# KiCad board FrontEnd_5G.kicad_pcb (continued)
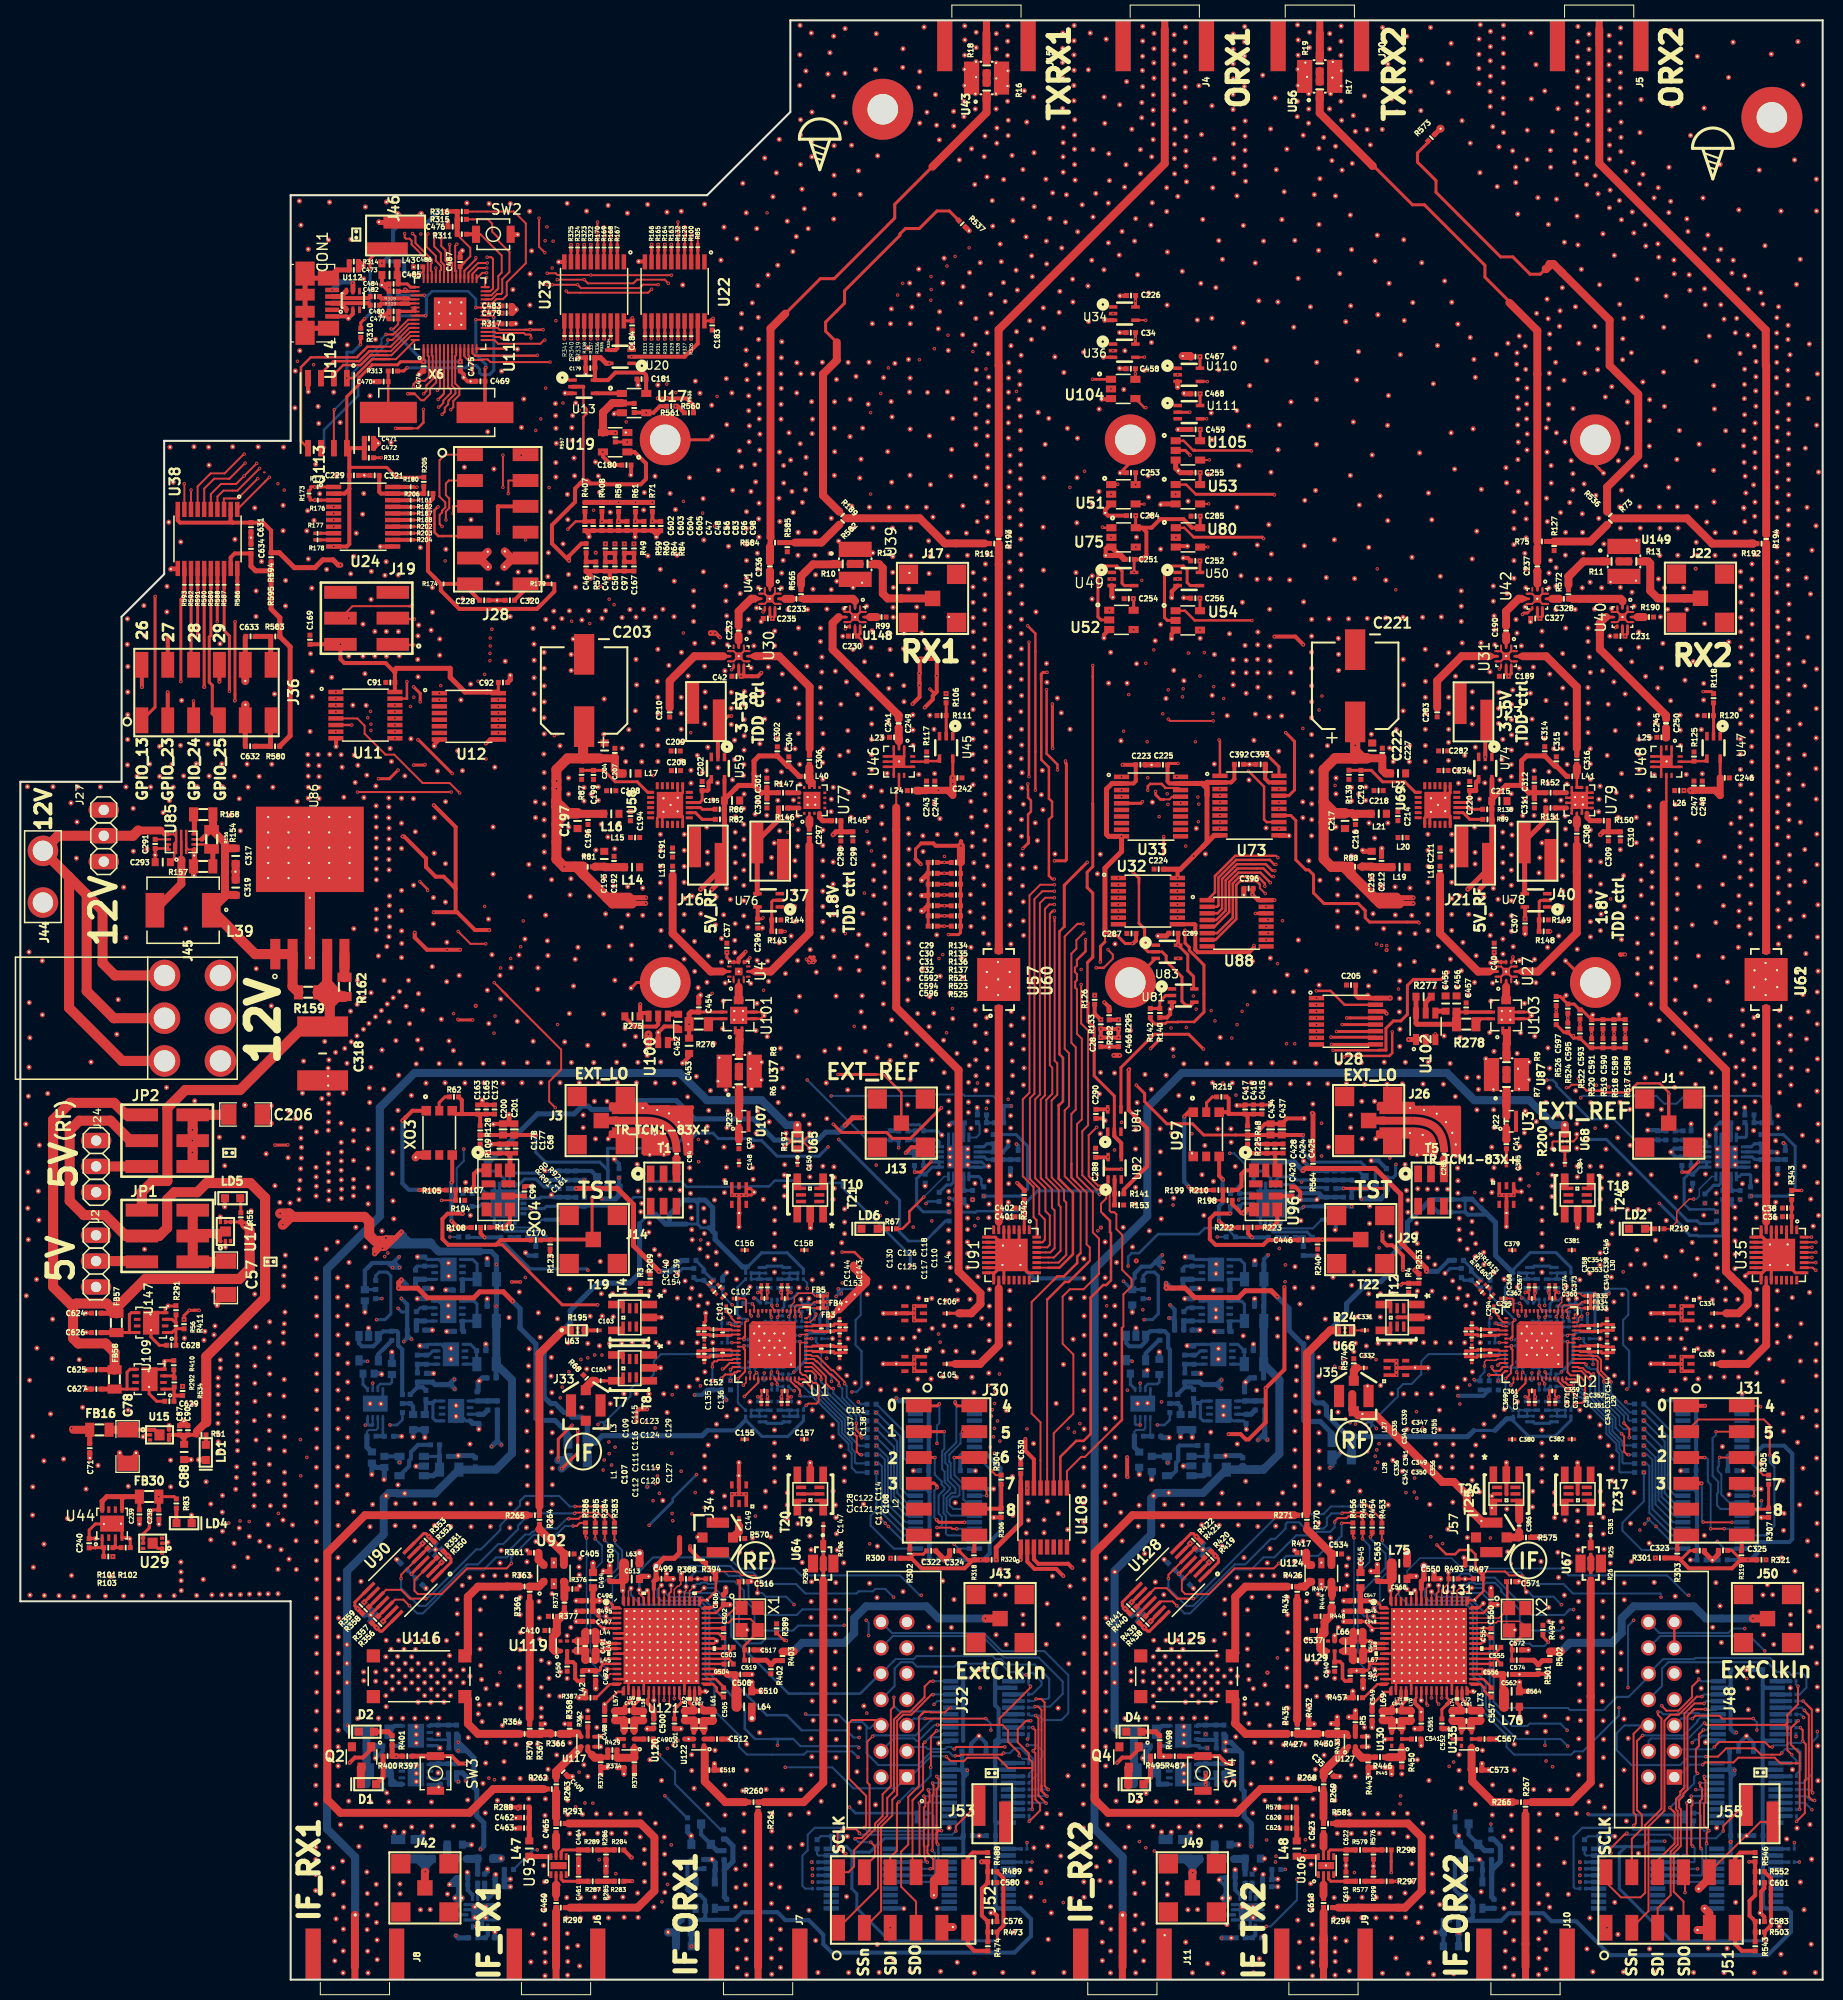
[diagram p0: board, top side]
## Routing (per net, layer and track width the routed paths; a pad name or vN(x,y) marks a point on that pad's centre or on a via; arc(x,y) is an arc through that point) (continued)
  B2.RO w0.4: C427.1 R226.2
Net-(C429-Pad1): length 2.2
  B2.RO w0.3: R229.2 168.21,77.57 C429.1 168.18,77.58 U98.12
Net-(C430-Pad1): length 1.5
  B2.RO w0.4: C435.2 R227.2 C430.1
Net-(C430-Pad2): length 1.6
  B2.RO w0.3: C430.2 170.5,80.61 170.25,80.86 U98.8
Net-(C431-Pad1): length 1.4
  B2.RO w0.3: U98.4 168.18,83.72 168.18,83.72 168.16,83.74 C431.1
Net-(C433-Pad1): length 1.6
  B2.RO w0.2: 170.43,84.22 C433.1
  B2.RO w0.3: 170.42,85.01 C433.1 171.19,84.23 C438.2
Net-(C433-Pad2): length 2.5
  B2.RO w0.3: 168.69,82.78 U98.5 169.56,82.79 169.69,82.92 169.69,84.04 169.53,84.2 C433.2
Net-(C440-Pad1): length 5.1
  B2.RO w0.3: C440.1 126.48,73.49 123.16,73.49 122.96,73.69 122.96,74.39 U99.18
Net-(C440-Pad2): length 1.7
  B2.RO w0.4: R226.1 C440.2 R233.1
Net-(C450-Pad1): length 4.2
  F.RO w0.4: L42.2 55.19,29.34 54.8,29.34 54.54,29.6 54.54,31 54.32,31.22 C450.1 U119.2
Net-(C451-Pad1): length 3.9
  B2.RO w0.3: U141.8 120.31,60.5 FB53.2 120.32,61.81 C451.1 119.69,62.45 U141.5
Net-(C452-Pad1): length 1.1
  F.RO w0.5: U100.4 63.84,94.9 64.66,94.9
Net-(C453-Pad2): length 14.1
  F.RO w0.2: 60.95,95.01 60.92,94.98
  F.RO w0.3: 69.13,95.11 66.69,95.11
  F.RO w0.4: v1(60.94,95.87) 60.92,95.85 60.92,94.98 ; C453.2 65.74,92.54 v1(65.74,93.91) ; 61.75,95.01 60.95,95.01
  F.RO w0.5: 65.73,93.9 v1(65.74,93.91) 65.74,94.93 65.92,95.11 C454.2
  F.RO w0.79: 65.75,93.92 v1(65.74,93.91)
  B.FR4 w0.4: 65.74,93.91 v1(65.74,93.91) 61.48,93.91 60.95,94.44 60.95,95.86 v1(60.94,95.87)
Net-(C455-Pad1): length 1.1
  F.RO w0.5: 139.09,95 139.28,95.2 C455.1
Net-(C456-Pad2): length 13.8
  F.RO w0.3: 141.18,95.05 141.24,95.11 U103.7 142.13,95.11 C457.2
  F.RO w0.5: 141.09,93.82 R278.2 137.3,93.91 137.19,94 R277.2 137.28,96.62
  F.RO w0.79: 141.18,95.05 R278.2
Net-(C460-Pad1): length 2.4
  F.RO w0.3: C460.1 52.66,7.99 52.66,8.35 ; U93.2 52.66,9.3
  F.RO w0.79: 52.66,9.3 52.69,9.3 52.66,9.27 52.66,8.35
Net-(C461-Pad1): length 3.2
  F.RO w0.3: C461.1 53.38,9.67 53.16,9.89 U93.3
  F.RO w0.5: C461.1 R287.2
Net-(C462-Pad2): length 3.4
  F.RO w0.5: R288.2 50.04,16.89 50.04,15.99 C462.2 50.03,15.86 50.03,14.96 C463.2 50.03,14.84 L47.1
Net-(C464-Pad2): length 3.2
  F.RO w0.3: U93.6 53.16,12.57 53.34,12.75 C464.2
  F.RO w0.5: C464.2 R289.2
Net-(C465-Pad2): length 2.4
  F.RO w0.3: 52.66,13.04 U93.7 ; C465.2 52.66,14.14
  F.RO w0.79: 52.66,14.14 52.66,13.04
Net-(C470-Pad1): length 4
  F.RO w0.25: 36.18,154.09 36.16,154.1 C470.1
  F.RO w0.3: C470.1 36.16,158.11 R313.2
Net-(C473-Pad1): length 14
  F.RO w0.5: R314.1 C473.1 31.1,168.05 CON1.6 28.44,167.24 CON1.6 CON1.6 CON1.6 CON1.6 28.44,162.32 CON1.6
Net-(C484-Pad2): length 3.9
  F.RO w0.3: C484.2 38.04,166.68 38.35,166.36 U115.43
  F.RO w0.4: 37.14,167.45 C485.2
  F.RO w0.5: L43.2 C485.2 ; C484.2 37.14,167.45
Net-(C488-Pad1): length 5.7
  B2.RO w0.3: 120.32,64.75 FB54.2 ; FB54.2 120.33,66.4 120.05,66.69 U140.5 ; FB54.2 120.32,64.74 U140.8 118.89,64.58 ; 118.89,63.71 118.89,63.71
  B2.RO w0.5: 118.89,63.71 118.89,63.71 118.89,64.58
Net-(C489-Pad1): length 5.6
  B2.RO w0.3: FB55.2 120.34,70.35 119.92,70.77 ; FB55.2 120.33,68.84 ; FB55.2 118.91,68.84 U142.8 118.91,68.68 ; 119.92,70.77 119.91,70.78 ; 119.92,70.77 118.92,70.77 U142.5 ; 118.91,67.87 118.9,67.86
  B2.RO w0.5: 118.9,67.86 118.91,67.87 118.91,68.68
Net-(C490-Pad1): length 1
  F.RO w0.5: U120.2 C490.1
Net-(C491-Pad1): length 2.9
  F.RO w0.35: C491.1 55.48,33.28 U119.4
  F.RO w0.79: L44.2 55.53,34.13 C491.1 54.88,33.24 54.81,33.31
Net-(C491-Pad2): length 2.9
  F.RO w0.35: C491.2 55.48,32.29 U119.3
  F.RO w0.79: L45.2 55.53,31.46 C491.2 54.76,32.34 54.73,32.31
Net-(C493-Pad1): length 2.2
  F.RO w0.5: 59.35,25.37 C493.1 ; U120.4 59.35,24.57
  F.RO w0.79: 59.35,24.57 59.35,25.37 C493.1 59.34,25.49 L57.2
Net-(C493-Pad2): length 2.1
  F.RO w0.5: 60.34,25.39 C493.2 ; U120.3 60.34,24.54
  F.RO w0.79: 60.34,24.54 60.34,25.39 C493.2 60.35,25.48 L58.2
Net-(C502-Pad1): length 1.7
  F.RO w0.25: C502.1 69.09,34.54 U121.44
Net-(C502-Pad2): length 1.9
  F.RO w0.25: C502.2 69.05,33.61 68.62,34.04 U121.43
Net-(C503-Pad1): length 1.8
  F.RO w0.25: C503.1 69.05,32.54 U121.40
Net-(C503-Pad2): length 3
  F.RO w0.25: C503.2 70.08,32.61 69.51,32.04 U121.39
Net-(C504-Pad1): length 2.9
  F.RO w0.25: C504.1 70.08,31.09 69.63,31.54 U121.38
Net-(C504-Pad2): length 1.8
  F.RO w0.25: C504.2 69.16,31.04 U121.37
Net-(C505-Pad1): length 2.1
  F.RO w0.25: C505.1 69.12,28.79 68.37,29.54 U121.34
Net-(C505-Pad2): length 2.4
  F.RO w0.25: C505.2 69.06,27.77 68.45,28.38 68.45,28.69 68.1,29.04 U121.33
Net-(C507-Pad1): length 2.9
  F.RO w0.5: C507.1 67.2,25.38 U122.3
  F.RO w0.79: L61.1 68.04,25.43 C507.1 67.15,24.71 67.19,24.67
Net-(C507-Pad2): length 2.8
  F.RO w0.5: C507.2 66.21,25.38 U122.4
  F.RO w0.79: 66.23,24.72 66.25,24.74 C507.2 66.2,25.48 L62.1
Net-(C508-Pad2): length 13
  F.RO w0.2: 68.47,33.3 68.47,33.28 ; 67.99,33.54 67.93,33.54
  F.RO w0.25: U121.35 68.27,30.04 68.48,30.25 68.48,30.29 68.23,30.54 U121.36 ; U121.41 68.19,33.04 68.44,33.29 68.19,33.54 67.93,33.54 ; U121.42 67.99,33.54
  F.RO w0.51: 70.27,29.95 C508.2 ; C510.2 70.27,28.47
  F.RO w0.65: 70.27,28.47 70.27,29.95 ; 68.48,30.25 69.25,30.25 69.5,30 C508.2
  F.RO w1: C510.2 L64.2
  F.FR4 w0.76: 68.48,33.31 68.48,30.26
Net-(C509-Pad2): length 28
  F.RO w0.2: 63.97,38.76 63.97,38.14 63.78,37.95 U121.55
  F.RO w0.25: 59.21,38.25 59.28,38.18 U121.64 ; U121.48 67.93,36.54 68.36,36.97 68.36,36.98 ; U121.59 61.78,38 61.63,38.15 61.63,38.25
  F.RO w0.51: C509.2 58.01,39.13 59.1,39.13 C513.2 59.21,39.24 59.21,38.25
  F.RO w1: L63.2 C513.2
  F.FR4 w0.25: 63.97,38.76 63.97,37.01 63.95,36.99 62.25,36.99 61.63,37.61 61.63,38.25
  F.FR4 w0.4: 61.38,39.01 60.98,39.41 59.37,39.41 59.21,39.25 59.21,38.25
  F.FR4 w0.51: 61.38,39.01 61.63,38.76 61.63,37.61 62.25,36.99 63.95,36.99 ; 63.95,36.99 68.36,36.99 ; 63.95,36.99 63.95,38.75
Net-(C511-Pad1): length 2.4
  B2.RO w0.79: R395.1 41.96,11.88 R393.2 C511.1
Net-(C511-Pad2): length 2.6
  B2.RO w0.5: R396.1 C514.1
  B2.RO w0.79: C511.2 44.93,11.87 R396.1
Net-(C512-Pad2): length 0.8
  F.RO w0.5: U122.2 C512.2
Net-(C514-Pad2): length 1.5
  B2.RO w0.3: 44.95,9.47 C514.2 ; IC1.2 44.95,8.82
  B2.RO w0.5: C514.2 44.95,9.47 44.95,8.82
Net-(C515-Pad2): length 1.5
  B2.RO w0.3: 45.64,8.74 45.45,8.55 IC1.3
  B2.RO w0.5: C515.2 45.64,8.74
Net-(C516-Pad1): length 6.7
  F.RO w0.15: 70.72,36.33 70.72,37.39 ; U121.46 69.27,35.54
  F.RO w0.2: 69.27,35.54 70.28,36.55 X1.1
  F.RO w0.25: 70.72,37.39 70.72,39.05 C516.1
Net-(C517-Pad1): length 9.6
  F.RO w0.15: 69.63,35.08 67.45,35.08 U121.45
  F.RO w0.2: 69.63,35.08 70,35.45 71.78,35.45 72.49,34.74 X1.3
  F.RO w0.25: 71.15,31.38 71.15,32.35 C517.1 71.15,32.47 71.15,32.81 72.72,34.38
Net-(C524-Pad2): length 0.8
  B2.RO w0.3: IC1.14 43.79,6.38 C524.2
Net-(C535-Pad1): length 2.8
  B2.RO w0.3: U141.1 115.37,60.5 C535.1
  B2.RO w0.4: C535.1 R241.1 114.47,60.48 R365.1
Net-(C536-Pad2): length 8.2
  B2.RO w0.5: 144.64,10.49 144.64,8.13 R424.2 ; 144.64,10.49 C536.2 145.49,11.62 145.49,13.14 144.81,13.82 R452.2 ; 144.64,10.49 144.64,11.75 R449.2
Net-(C537-Pad1): length 9.4
  F.RO w0.25: C537.1 128.18,34.06 128.2,34.06 127.8,33.66 127.8,32.72 128.22,32.3 U129.1 ; R448.2 128.75,35.71 128.94,35.9 R444.1
  F.RO w0.79: 128.25,32.27 128.07,32.27 127.8,32.54 127.8,33.66 128.2,34.06 128.2,35.16 128.9,35.86 128.9,36.57 R444.1
Net-(C540-Pad1): length 4.3
  F.RO w0.35: L65.2 130.66,29.35 130.23,29.35 129.97,29.61 129.97,31.01 129.72,31.26 129.25,31.26 C540.1 U129.2
Net-(C541-Pad1): length 1
  F.RO w0.35: U130.2 C541.1
Net-(C542-Pad1): length 3.2
  F.RO w0.5: L66.2 130.98,34.13 C542.1 130.92,33.3 ; 129.86,33.28 129.88,33.3 130.08,33.3
  F.RO w0.79: 130.08,33.3 130.92,33.3 C542.1 131.04,33.3 L66.2
Net-(C542-Pad2): length 2.3
  F.RO w0.5: 130.98,31.45 L67.2 ; U129.3 129.87,32.29 130.14,32.29 ; C542.2 130.93,32.29
  F.RO w0.79: L67.2 130.98,31.45 C542.2 130.93,32.29 130.14,32.29
Net-(C544-Pad1): length 2.2
  F.RO w0.5: 134.85,24.82 134.81,24.78 U130.4
  F.RO w0.79: 134.81,24.78 134.85,24.82 C544.1 134.79,25.49 L69.2
Net-(C544-Pad2): length 2.8
  F.RO w0.35: C544.2 135.8,25.38 U130.3
  F.RO w0.79: L70.2 136.65,25.43 C544.2 135.75,24.8 135.8,24.75
Net-(C553-Pad1): length 2.4
  B2.RO w0.79: R492.1 R491.2 C553.1
Net-(C553-Pad2): length 2.6
  B2.RO w0.4: 120.4,10.86 C558.1
  B2.RO w0.65: R496.1 120.4,10.86
  B2.RO w0.79: C553.2 120.37,11.87 R496.1
Net-(C554-Pad1): length 1.7
  F.RO w0.25: C554.1 144.54,34.54 U131.44
Net-(C554-Pad2): length 1.9
  F.RO w0.25: C554.2 144.49,33.61 144.06,34.04 U131.43
Net-(C555-Pad1): length 1.8
  F.RO w0.25: C555.1 144.51,32.54 U131.40
Net-(C555-Pad2): length 3
  F.RO w0.25: C555.2 145.53,32.62 144.95,32.04 U131.39
Net-(C556-Pad1): length 2.9
  F.RO w0.25: C556.1 145.53,31.09 145.08,31.54 U131.38
Net-(C556-Pad2): length 1.8
  F.RO w0.25: U131.37 144.61,31.04 C556.2
Net-(C557-Pad1): length 2.1
  F.RO w0.25: C557.1 144.57,28.79 143.82,29.54 U131.34
Net-(C557-Pad2): length 2.4
  F.RO w0.25: C557.2 144.51,27.77 143.9,28.38 143.9,28.69 143.55,29.04 U131.33
Net-(C558-Pad2): length 1.5
  B2.RO w0.3: 120.4,8.87 IC2.2
  B2.RO w0.5: C558.2 120.4,8.87
Net-(C559-Pad2): length 1.5
  B2.RO w0.3: 121.08,8.76 120.9,8.58 IC2.3
  B2.RO w0.5: C559.2 121.08,8.76
Net-(C561-Pad1): length 2.8
  F.RO w0.4: C561.1 142.66,25.36 U135.3
  F.RO w0.79: L73.1 143.48,25.42 C561.1 142.6,24.8 142.64,24.76
Net-(C561-Pad2): length 2.8
  F.RO w0.4: C561.2 141.67,25.38 U135.4
  F.RO w0.79: L74.1 140.83,25.42 C561.2 141.7,24.77 141.69,24.76
Net-(C562-Pad2): length 12.9
  F.RO w0.25: U131.41 142.86,33.03 143.59,33.03 143.86,33.3 143.62,33.54 U131.42 ; U131.35 143.72,30.04 143.95,30.27 143.95,30.28 143.69,30.54 U131.36
  F.RO w0.65: C564.2 145.72,28.47 145.72,29.95 C562.2 144.93,30 144.68,30.25 143.93,30.25
  F.RO w1: C564.2 L76.2
  F.FR4 w0.76: 143.94,33.3 143.94,30.26 143.93,30.25
Net-(C563-Pad2): length 22.4
  F.RO w0.2: 139.41,38.75 139.41,38.14 139.22,37.95 U131.55
  F.RO w0.25: 134.67,38.25 134.72,38.2 U131.64 ; 137.07,38.25 137.22,38.1 U131.59 ; 143.81,36.98 143.8,36.98 143.36,36.54 U131.48
  F.RO w0.51: 134.67,38.25 134.67,39.26 C568.2 134.55,39.14 133.46,39.14 C563.2
  F.RO w1: L75.2 C568.2
  F.FR4 w0.4: 137.07,38.25 137.07,38.76 136.81,39.02 134.92,39.02 134.67,38.77 134.67,38.25
  F.FR4 w0.51: 139.38,36.97 137.72,36.97 137.07,37.62 137.07,38.25 ; 139.38,36.97 139.38,36.94 139.39,36.95 139.39,38.73 139.41,38.75 ; 139.38,36.97 143.8,36.97 143.81,36.98
Net-(C567-Pad2): length 0.8
  F.RO w0.35: U135.2 C567.2
Net-(C571-Pad1): length 6.5
  F.RO w0.15: 146.17,37.39 146.17,36.35 145.36,35.54 U131.46
  F.RO w0.25: C571.1 146.17,39.05 146.17,37.39
Net-(C572-Pad1): length 9.4
  F.RO w0.15: 148.17,34.39 147.34,35.22 145.22,35.22 145.08,35.08 142.89,35.08 U131.45
  F.RO w0.25: C574.2 146.6,31.45 146.6,32.35 C572.1 146.6,32.47 146.6,32.81 148.17,34.38 148.17,34.39
Net-(C582-Pad2): length 0.8
  B2.RO w0.3: C582.2 IC2.14
Net-(C606-Pad1): length 2.7
  B2.RO w0.3: U140.1 115.19,64.74 C606.1 ; R243.1 114.39,64.74
  B2.RO w0.5: R404.1 R243.1 ; 114.39,64.74 C606.1
Net-(C607-Pad1): length 2.8
  B2.RO w0.3: U142.1 115.17,68.84 C607.1
  B2.RO w0.5: C607.1 R254.1 R409.1
Net-(C608-Pad1): length 2.6
  B2.RO w0.3: 113.66,56.63 R562.1
  B2.RO w0.4: R562.1 R412.1 114.05,56.35 C608.1
Net-(C610-Pad2): length 4.6
  B2.RO w0.2: R559.1 109.51,53.85 109.69,54.03 110.41,54.03 110.58,54.2 U144.6
  B2.RO w0.5: C610.2 109.51,52.34 R559.1
Net-(C611-Pad1): length 6
  B2.RO w0.3: 115.37,55.72 C611.1 ; U143.5 116.28,54.93 115.99,55.21 115.99,56.71 116.15,56.87 116.89,56.87 U143.8
  B2.RO w0.4: 115.99,56.68 115.47,56.68 115.37,56.58 ; 115.37,56.58 115.37,55.72 C611.1 ; 115.37,56.58 115.33,56.62 R556.1
Net-(C612-Pad1): length 5.9
  B2.RO w0.3: 115.1,51.43 C612.1 116.64,51.42 116.64,50.14 116.66,50.12
  B2.RO w0.5: 115.1,49.53 116.34,49.53 116.65,49.84 116.65,50.13 ; C612.1 R20.2
Net-(C613-Pad1): length 1.7
  B2.RO w0.3: U144.1 109.12,58.5 C613.1
Net-(C615-Pad1): length 2.7
  B2.RO w0.3: 119.65,56.88 C615.1
  B2.RO w0.5: C615.1 R566.1 121.4,56.89 R571.1
Net-(C616-Pad2): length 2.6
  B2.RO w0.25: C616.2 111.96,58.73 111.78,58.55 110.84,58.55 110.58,58.29 U144.3
Net-(C618-Pad1): length 2.3
  F.RO w0.3: C618.1 128.1,7.99 128.1,8.31 ; U106.2 128.1,9.33
  F.RO w0.79: 128.1,8.31 128.1,9.33
Net-(C619-Pad1): length 3.2
  F.RO w0.3: C619.1 128.82,9.67 128.6,9.89 U106.3
  F.RO w0.5: C619.1 R577.2
Net-(C620-Pad2): length 3.4
  F.RO w0.5: 125.41,16.93 125.47,16.87 125.47,15.98 C620.2 125.47,15.85 125.47,14.96 C621.2 125.47,14.82 125.47,13.62
Net-(C622-Pad2): length 3.2
  F.RO w0.3: U106.6 128.6,12.57 128.78,12.75 C622.2
  F.RO w0.5: C622.2 R579.2
Net-(C623-Pad2): length 2.4
  F.RO w0.3: 128.1,14.18 C623.2 ; U106.7 128.1,13.05
  F.RO w0.79: 128.1,14.18 128.1,13.05
Net-(C626-Pad1): length 6.2
  F.RO w0.3: FB57.2 9.46,63.61 10.72,63.61 ; 10.72,63.61 10.72,65.37 10.91,65.56 U147.5 ; 10.72,63.61 U147.8 ; 7.91,63.6 C626.1
  F.RO w0.5: FB57.2 7.91,63.6
Net-(C627-Pad1): length 6
  F.RO w0.3: FB58.2 9.26,58.05 10.49,58.05 ; 10.49,58.05 10.49,59.7 10.78,60 U109.5 ; 10.49,58.05 U109.8
  F.RO w0.5: FB58.2 9.26,58.05 C627.1
Net-(C628-Pad1): length 3.8
  F.RO w0.3: R56.1 14.91,63.61 U147.1 ; R56.1 15.29,63.12 ; R56.1 16.09,63.99 R411.1 ; 15.29,63.12 15.29,62.93 ; 15.29,63.12 C628.1
Net-(C629-Pad1): length 4.2
  F.RO w0.3: U109.1 14.92,58.05 R292.1 ; R292.1 15.1,58.22 C629.1 ; R292.1 15.13,57.41
  F.RO w0.4: R534.1 15.13,57.41
Net-(C632-Pad1): length 4.1
  F.RO w0.3: J36.6 24.59,123.72
  F.RO w0.5: 24.59,123.72 R580.1 C632.1
Net-(C633-Pad1): length 4.3
  F.RO w0.3: J36.12 24.61,129.28 ; R583.2 24.6,132.03
  F.RO w0.5: 24.61,129.28 R583.2 ; 24.6,132.03 C633.1
Net-(C634-Pad1): length 7.5
  F.RO w0.4: C634.1 21.07,140.18 20.67,139.79 U38.19
  F.RO w0.5: C634.1 22.67,138.93 23.12,138.48 R595.2 R594.2
Net-(CON1-Pad2): length 5.5
  F.RO w0.3: 31.5,165.43 CON1.2
  F.RO w0.4: 31.55,165.48 31.75,165.28 34.25,165.28 R308.1
  F.RO w0.5: CON1.2 31.5,165.43 U112.6
Net-(CON1-Pad3): length 5.5
  F.RO w0.4: CON1.3 34.2,164.78 R309.1
  F.RO w0.5: U112.1 32.04,164.18 31.44,164.78 CON1.3
Net-(D1-Pad1): length 3
  F.RO w0.5: R400.1 35.65,19.89 D1.1
Net-(D1-Pad2): length 1.7
  F.RO w0.79: D1.2 33.47,20.82 Q2.3
Net-(D2-Pad1): length 2
  F.RO w0.5: R401.1 36.16,24.37 D2.1
Net-(D3-Pad1): length 3
  F.RO w0.5: D3.1 111.09,19.89 R495.1
Net-(D3-Pad2): length 1.8
  F.RO w0.79: Q4.3 108.91,20.81 108.91,19.12
Net-(D4-Pad1): length 1.9
  F.RO w0.5: D4.1 111.6,24.37 R498.1
Net-(IC1-Pad9): length 1.9
  B2.RO w0.4: R398.1 R399.2 45.95,4.37 IC1.9
Net-(IC2-Pad9): length 1.9
  B2.RO w0.4: R499.1 R500.2 121.4,4.38 IC2.9
Net-(J2-Pad2): length 4.5
  F.RO w1: J2.2 11.88,70.62 JP1.5
Net-(J4-Pad1): length 56.5
  F.RO w0.79: 112.5,191.73 112.5,178.51 96.16,162.17 96.16,158.66 96.18,158.64 R193.1
Net-(J5-Pad1): length 56.5
  F.RO w0.79: 171.6,158.66 171.62,158.64 R194.1 ; 171.58,158.63 171.58,162.14 155.21,178.51 155.21,191.73
Net-(J7-Pad1): length 15.3
  F.RO w0.5: 72.52,16.26 72.49,16.26 72.52,16.29 R261.1
  F.RO w0.79: 72.52,16.26 J7.1
Net-(J10-Pad1): length 15.3
  F.RO w0.5: R267.1 147.96,16.22
  F.RO w0.79: J10.1 147.96,16.22
Net-(J15-Pad1): length 2.5
  F.RO w0.79: U43.3 94.97,188.82 J15.1
Net-(J17-Pad1): length 8.6
  F.RO w0.79: U148.3 84.42,139.11 84.78,138.75 84.78,136.24 85.26,135.76 86.58,135.76 86.58,135.74 86.6,135.76 J17.1
Net-(J20-Pad1): length 2.4
  F.RO w0.79: U56.3 127.74,188.98 J20.1
Net-(J22-Pad1): length 14.4
  F.RO w0.79: 165.14,135.77 163.6,135.77 ; 163.6,135.77 163.61,135.78 J22.1 165.15,135.77 160.97,135.77 ; 163.6,135.77 160.97,135.77 ; 160.97,135.77 160.22,136.52 160.22,139.2 160.02,139.4 U149.3
Net-(J24-Pad2): length 4.5
  F.RO w1: J24.2 11.92,79.94 11.94,79.93
Net-(J30-Pad6): length 1.7
  F.RO w0.4: J30.6 87.43,42.81 R302.1
Net-(J30-Pad11): length 5
  F.RO w0.4: J30.11 93.83,46.29 96.37,46.29 R306.1 R304.1
Net-(J30-Pad12): length 1.6
  F.RO w0.4: J30.12 93.78,42.2 R318.1
Net-(J31-Pad6): length 1.7
  F.RO w0.4: J31.6 162.87,42.81 R303.1
Net-(J31-Pad11): length 10
  F.RO w0.2: 171.86,47.89 171.86,47.83 ; 171.86,47.89 R305.1 ; 171.86,47.89 171.86,46.48 171.62,46.24 J31.11
  F.RO w0.3: J31.11 171.76,46.24 R307.1 R305.1
Net-(J31-Pad12): length 1.6
  F.RO w0.4: R319.1 169.22,42.2 J31.12
Net-(J37-Pad1): length 9.3
  F.RO w0.5: R146.2 74.52,114 72.44,111.92 J37.1 72.44,106.76 U76.4
Net-(J40-Pad1): length 9.3
  F.RO w0.5: 147.89,106.78 147.88,106.78 J40.1 147.88,111.91 149.97,114 R151.2
Net-(J42-Pad1): length 8.1
  F.RO w0.79: 39.78,9.03 J42.1 39.77,10.57 v2(39.8,10.6)
  B2.RO w0.79: R392.1 39.06,11.87 R393.1 40.47,11.84 39.8,11.17 v2(39.8,10.6) 39.8,11.13 R392.1 ; R392.1 R390.1
Net-(J43-Pad1): length 24.6
  F.RO w0.79: 96.3,35.49 v2(94.87,35.49) ; v2(76.02,32.27) 76,32.25 74.92,32.25
  B2.RO w0.79: v2(94.87,35.49) 94.86,35.5 90.26,35.5 89.06,36.7 83.15,36.7 81.97,35.52 81.97,34.07 81.01,33.11 76.86,33.11 v2(76.02,32.27)
Net-(J49-Pad1): length 7.5
  F.RO w0.79: v2(115.24,10.52) 115.21,10.49 J49.1 115.22,9.03
  B2.RO w0.79: 112.58,11.87 R458.1 R472.1 ; R472.1 114.51,11.87 R491.1 115.91,11.81 115.22,11.12 ; R472.1 115.22,11.16 115.22,11.12 ; 115.22,11.12 115.22,10.54 v2(115.24,10.52)
Net-(J50-Pad1): length 33.3
  F.RO w0.5: 151.45,32.26 v2(151.46,32.27)
  F.RO w0.79: v2(170.32,35.5) 170.32,35.49 J50.1 ; R502.1 151.45,32.26
  B2.RO w0.5: 157.41,34.07 157.41,35.52 158.59,36.7 ; 164.5,36.7 165.78,35.42 169.61,35.42
  B2.RO w0.79: v2(151.46,32.27) 152.3,33.11 156.45,33.11 157.41,34.07 157.41,35.52 158.59,36.7 164.5,36.7 165.7,35.5 v2(170.32,35.5)
Net-(J51-Pad6): length 3.9
  F.RO w0.4: J51.6 168.57,3.48 169.22,2.83 R543.1
Net-(J51-Pad12): length 3.6
  F.RO w0.4: J51.12 168.57,11.99 169.07,12.49 R546.2
Net-(J52-Pad6): length 3.9
  F.RO w0.4: R474.1 93.78,2.83 93.13,3.48 J52.6
Net-(J52-Pad12): length 3.6
  F.RO w0.4: R488.2 93.63,12.49 93.13,11.99 J52.12
Net-(J53-Pad1): length 21.8
  F.RO w0.2: v2(91.96,14.61) 91.96,15.1 93.97,17.11 J53.1 ; v2(81.15,12.39) 80.98,12.39 80.34,13.03 80.34,14.38 80.75,14.79 82.15,14.79 82.48,14.46 v2(82.48,14.39)
  B2.RO w0.2: R490.1 78.32,12.34 78.46,12.2 79.71,12.2 U133.19 ; v2(91.96,14.61) 91.6,14.25 82.62,14.25 v2(82.48,14.39) ; 79.72,12.2 U133.19 ; U133.19 80.97,12.21 v2(81.15,12.39)
Net-(J55-Pad1): length 20.4
  F.RO w0.2: v2(167.4,14.61) 167.4,15.1 169.41,17.11 J55.1 ; v2(157.92,14.39) 157.92,14.27 157.69,14.27 156.36,12.94 v2(156.36,12.45)
  B2.RO w0.2: v2(167.4,14.61) 166.68,13.89 162.47,13.89 162.12,14.24 162.12,14.25 158.06,14.25 v2(157.92,14.39) ; 155.86,12.2 U139.19 ; U139.19 153.9,12.2 153.77,12.34 R553.1 ; U139.19 156.11,12.2 v2(156.36,12.45)
  B2.RO w0.4: R553.1 153.74,12.83
Net-(L39-Pad2): length 10.2
  F.RO w0.25: 15.82,107.71 15.82,111.82 U85.2
  F.RO w0.79: L39.2 15.83,107.72 15.83,110.06 15.82,110.06
Net-(L44-Pad1): length 3.2
  F.RO w0.35: L46.1 56.61,33.3 57.31,33.3 57.57,33.04 U121.8
  F.RO w0.79: L44.1 56.55,34.13 L46.1
Net-(L45-Pad1): length 3.2
  F.RO w0.35: L46.2 56.6,32.29 57.32,32.29 57.57,32.54 U121.9
  F.RO w0.79: L45.1 56.55,31.48 L46.2
Net-(L47-Pad2): length 4.1
  F.RO w0.3: L47.2 50.07,12.09 U93.8
  F.RO w0.5: 51.91,12.09 51.91,12.1 50.07,12.1 L47.2
Net-(L48-Pad2): length 2.2
  F.RO w0.3: 125.44,12.09 125.41,12.12 ; U106.8 127.4,12.09
  F.RO w0.5: 125.41,12.12 125.44,12.09 127.4,12.09
Net-(L57-Pad1): length 3.3
  F.RO w0.35: U121.19 60.28,27.72 59.4,26.84 L59.1
  F.RO w0.79: L57.1 59.35,26.39 L59.1
Net-(L58-Pad1): length 3.1
  F.RO w0.35: U121.20 60.78,27.45 60.3,26.97 L59.2
  F.RO w0.79: L58.1 60.36,26.38 L59.2
Net-(L60-Pad1): length 3.3
  F.RO w0.35: L60.1 67.16,26.69 66.28,27.57 U121.31
  F.RO w0.79: L61.2 68.05,26.44 L60.1
Net-(L60-Pad2): length 3.1
  F.RO w0.35: L60.2 66.26,26.72 65.78,27.2 U121.30
  F.RO w0.79: L62.2 65.37,26.44 L60.2
Net-(L66-Pad1): length 4.2
  F.RO w0.25: 133.08,33.04 133.01,33.04 ; 132.05,33.29 L68.1
  F.RO w0.35: 133.01,33.04 132.76,33.29 132.05,33.29 ; U131.8 133.08,33.04
  F.RO w0.5: L66.1 132,34.13 L68.1
  F.RO w0.79: L68.1 131.94,33.3 L66.1
Net-(L67-Pad1): length 3.3
  F.RO w0.25: 132.05,32.29 L68.2
  F.RO w0.35: 132.05,32.29 132.76,32.29 133.01,32.54 U131.9
  F.RO w0.4: 132.05,32.29 L68.2
  F.RO w0.5: 132,31.45 L67.1
  F.RO w0.79: L67.1 132,31.45 L68.2
Net-(L69-Pad1): length 3.4
  F.RO w0.35: L71.1 134.78,26.51 134.78,26.79 135.72,27.73 U131.19
  F.RO w0.79: L71.1 134.8,26.39 L69.1
Net-(L70-Pad1): length 3.1
  F.RO w0.35: L71.2 135.81,26.5 135.81,27.06 136.22,27.47 U131.20
  F.RO w0.79: L70.1 136.64,26.44 L71.2
Net-(L72-Pad1): length 3.3
  F.RO w0.35: L72.1 142.61,26.69 141.72,27.58 U131.31
  F.RO w0.79: L73.2 143.5,26.44 L72.1
Net-(L72-Pad2): length 3.1
  F.RO w0.35: L72.2 141.59,26.56 141.59,26.82 141.22,27.19 U131.30
  F.RO w0.79: L74.2 140.81,26.44 L72.2
Net-(LD1-Pad1): length 1
  F.RO w0.4: LD1.1 18.25,52.59 R51.2
Net-(LD2-Pad1): length 1
  F.RO w0.4: R219.2 LD2.1
Net-(LD4-Pad1): length 1.5
  F.RO w0.4: LD4.1 15.34,44.88 R83.2
Net-(LD5-Pad1): length 1.3
  F.RO w0.3: R55.2 21.67,76.49 21.55,76.61
Net-(LD6-Pad1): length 1
  F.RO w0.4: R67.2 LD6.1
Net-(Q1-Pad1): length 4
  B2.RO w0.4: Q1.1 67.87,13.31 66.92,14.26 Q1.3
  B2.RO w0.5: Q1.1 68.49,12.68 R380.1
Net-(Q3-Pad1): length 4
  B2.RO w0.4: Q3.1 142.36,14.26 Q3.3
  B2.RO w0.5: R449.1 143.94,12.68 Q3.1
Net-(R2-Pad1): length 1.5
  F.RO w0.15: v2(71.95,66.42) 72.13,66.24 U1.54
  B2.RO w0.15: v2(71.95,66.42) 71.89,66.48 R2.1
Net-(R5-Pad2): length 1
  F.RO w0.5: R5.2 131.23,24.84 U127.5
Net-(R6-Pad1): length 1
  F.RO w0.79: R6.1 70.63,89.73 R8.2
Net-(R7-Pad1): length 0.9
  F.RO w0.79: R9.2 R7.1
Net-(R10-Pad1): length 0.9
  F.RO w0.79: R12.2 R10.1
Net-(R10-Pad2): length 6.7
  F.RO w0.4: 77.18,138.37 77.11,138.3
  F.RO w0.5: 77.11,138.3 76.74,137.93 R565.1
  F.RO w0.79: 76.74,137.09 76.74,137.93 77.92,139.11 U148.1
Net-(R11-Pad1): length 0.9
  F.RO w0.79: R13.2 R11.1
Net-(R11-Pad2): length 7.6
  F.RO w0.4: 152.62,138.36 152.55,138.29
  F.RO w0.5: 152.55,138.29 152.18,137.92 R572.1
  F.RO w0.79: 152.18,137.08 152.18,137.92 ; 152.18,137.92 152.62,138.36 ; 152.18,137.92 153.66,139.4 U149.1
Net-(R14-Pad1): length 5
  B2.RO w0.4: U16.4 38.22,50.48 38.22,51.01 38.4,51.19 38.4,51.86 39.11,52.57 R14.1
Net-(R15-Pad1): length 2.5
  B2.RO w0.4: 35.19,60.9 35.18,60.89 ; U9.4 35.19,61.48 36.51,62.8 R15.1
Net-(R15-Pad2): length 12
  B2.RO w0.4: 35.18,63.29 35.18,62.73 34.7,62.25 33.59,62.25 33.28,62.56 33.28,63.29 ; R38.2 37.54,57.54 37.54,61.94 37.14,62.34 37.14,63.61 37.01,63.74 R15.2 36.49,63.72 35.65,63.72 U9.3
Net-(R16-Pad1): length 1
  F.RO w0.79: R18.2 R16.1
Net-(R17-Pad1): length 1.1
  F.RO w0.79: R19.2 R17.1
Net-(R20-Pad1): length 5.5
  B2.RO w0.4: U145.4 113.13,49.54 113.61,50.02 113.61,50.81 113.82,51.02 113.82,52.38 113.94,52.5 R20.1
Net-(R21-Pad1): length 2.6
  B2.RO w0.4: U146.4 110.62,61.56 111.91,62.85 R21.1
  B2.RO w0.5: 110.63,60.9 U146.4
Net-(R21-Pad2): length 12.1
  B2.RO w0.3: U146.3 110.65,63.32
  B2.RO w0.4: R563.2 113,61.93 112.83,62.1 112.83,63.4 112.48,63.75 R21.2 111.08,63.75 U146.3 110.62,62.72 110.15,62.25 109.03,62.25 108.72,62.56 U146.1
Net-(R22-Pad2): length 3.1
  F.RO w0.3: U3.2 146.08,85.11 R22.2
  F.RO w0.79: 146.08,85.85 146.08,86.4 ; 146.08,85.85 R22.2 ; 146.08,85.85 146.08,87.05 U87.1
Net-(R23-Pad2): length 3.2
  F.RO w0.79: 70.69,86.45 70.64,86.4 70.64,85.83 ; 70.64,85.83 R23.2 ; 70.64,85.83 70.67,85.86 U37.1
Net-(R25-Pad1): length 1.8
  F.RO w0.3: 154.37,41.39 R25.1 ; 154.37,40 154.37,40.39
  F.RO w0.7: 154.37,41.39 154.38,41.39 154.38,40.4 154.37,40.39
Net-(R27-Pad2): length 3
  B2.RO w0.25: 42.12,19.77 40.33,19.77 40.26,19.84
  B2.RO w0.4: R27.2 42.08,19.96 42.12,19.92 42.12,19.28 R28.1
Net-(R29-Pad2): length 1.9
  B2.RO w0.3: U8.3 45.04,55.58 R30.1
  B2.RO w0.5: R30.1 45.54,55.57 R29.2
Net-(R31-Pad2): length 2.1
  B2.RO w0.3: R32.1 40.14,61.39 40.54,61.8 40.96,61.8
  B2.RO w0.4: R32.1 R31.2
Net-(R33-Pad2): length 2.2
  B2.RO w0.3: R33.2 38.85,69.99 38.99,70.13 R34.1 39.75,70.14 40.71,70.14
Net-(R35-Pad2): length 1.9
  B2.RO w0.3: R35.2 39.31,66.04 R36.1 39.76,66.03 U6.3
Net-(R37-Pad2): length 8.2
  B.FR4 w0.25: v2(33.91,54.5) 33.93,54.52 v2(36.34,54.52)
  B2.RO w0.2: 34.64,54.59 34.64,55.2
  B2.RO w0.25: 34.31,54.52 34.24,54.52 34.14,54.62 34.14,55.2 34.14,54.73 33.9,54.49 ; 34.57,54.52 34.64,54.59 ; v2(36.34,54.52) 36.95,54.52 36.9,54.52 37.04,54.52 37.56,55.04 R37.2 ; 33.9,54.49 v2(33.91,54.5) ; 33.9,54.49 34.55,54.49 34.64,54.58 34.64,54.52
  B2.RO w0.3: 34.57,54.52 34.64,54.52 34.31,54.52
Net-(R39-Pad2): length 10.2
  B.FR4 w0.3: v2(35.54,66.95) 35.88,66.61 35.88,61.41 34.64,60.17 v2(34.64,58.63)
  B2.RO w0.25: U10.2 v2(34.64,58.63)
  B2.RO w0.3: 35.53,66.94 v2(35.54,66.95) 35.52,66.93 R39.2
Net-(R40-Pad2): length 14.3
  B.FR4 w0.3: v2(34.14,60.78) 34.14,62.72 33.35,63.51 33.35,64.44 33.78,64.87 v2(35.01,64.87)
  B2.RO w0.3: v2(35.01,64.87) 35.85,64.87 36.42,65.44 36.42,69.17 36.05,69.54 35.29,69.54 34.93,69.18 R40.2 ; v2(34.14,60.78) 33.39,60.78 33.28,60.89
Net-(R41-Pad1): length 2.7
  B2.RO w0.25: R41.1 35.64,53.55 35.64,55.2
  B2.RO w0.4: R41.1 35.77,53.42 R45.2
Net-(R43-Pad2): length 3.3
  B2.RO w0.25: 42.12,23.57 40.33,23.57 U94.3
  B2.RO w0.4: 42.13,23.58 42.13,24.07 R43.2 ; 42.13,23.58 R44.1 ; 42.13,23.58 42.12,23.57
